# KiCad board vault35-katana-original.kicad_pcb (continued)
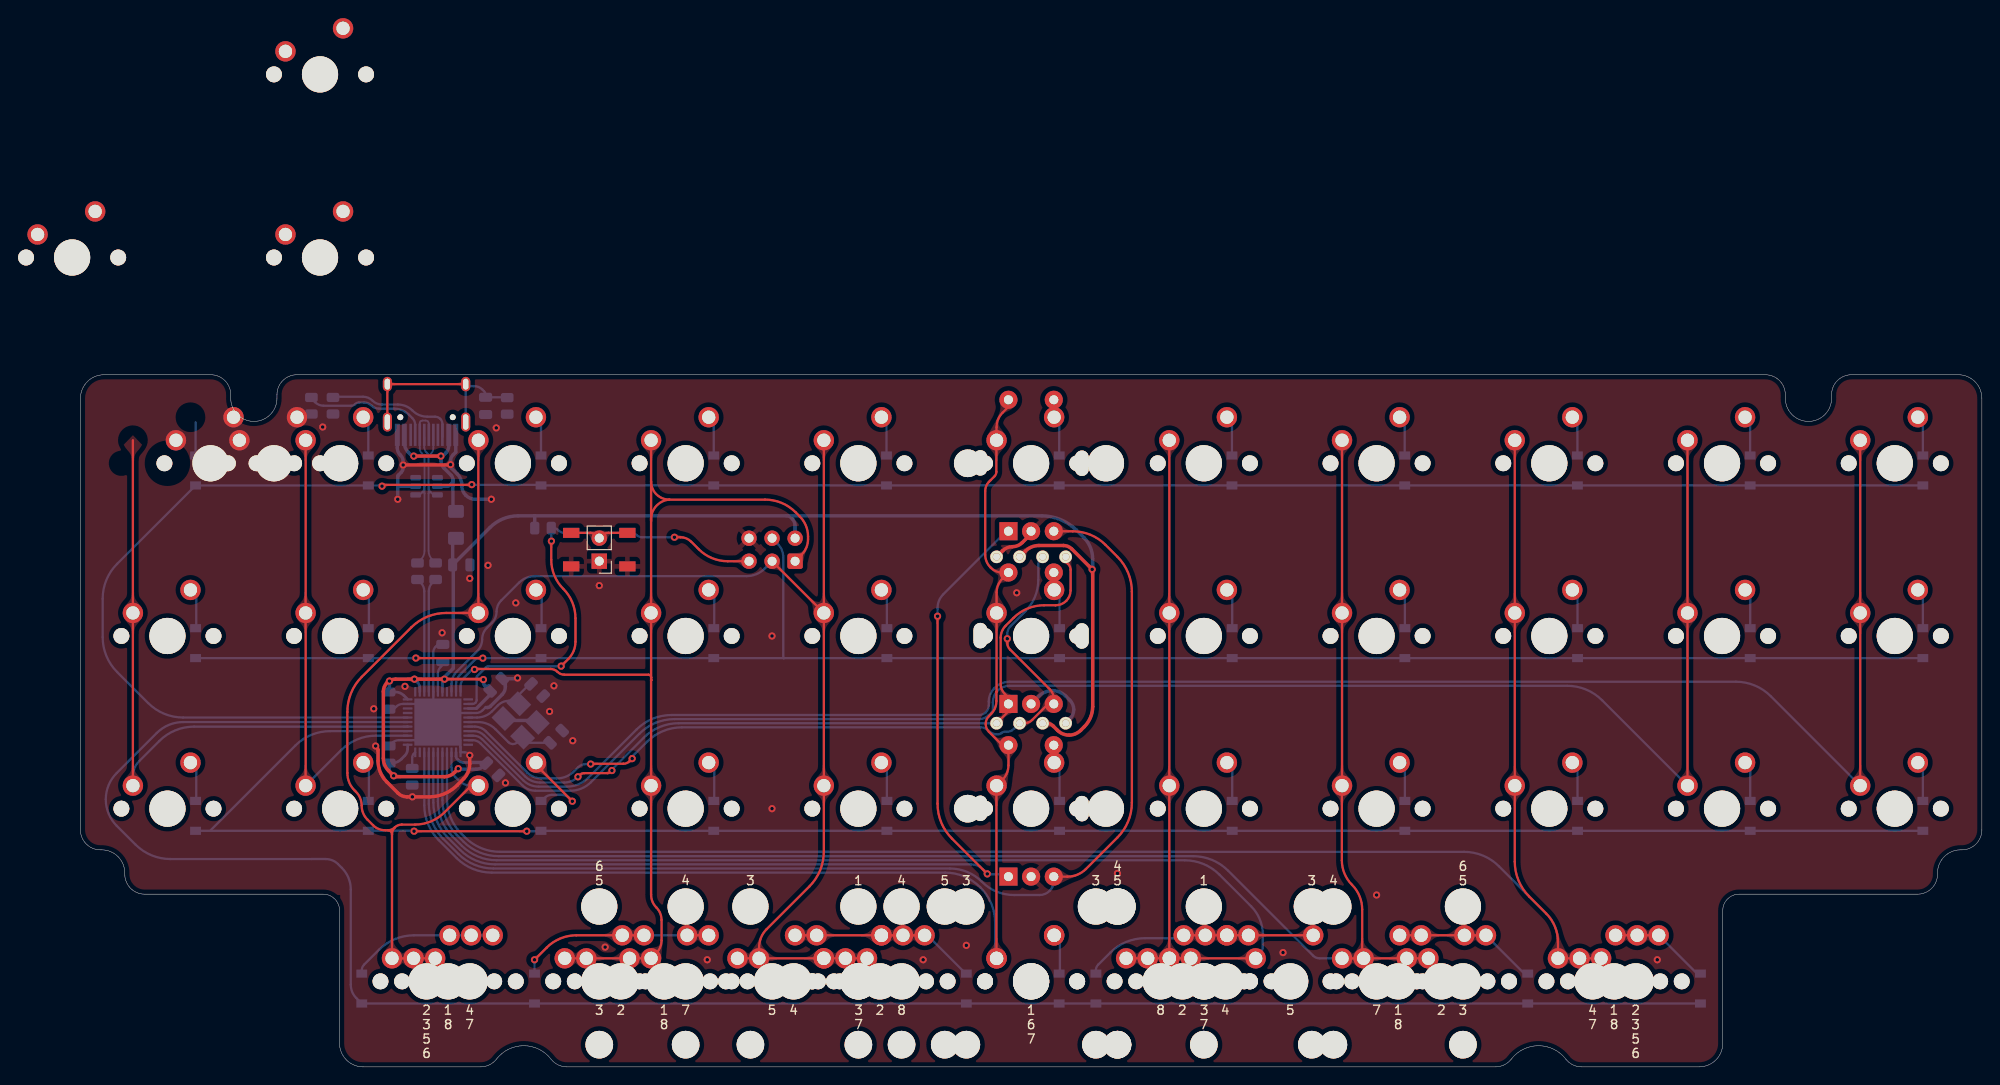
[diagram p0: board, top side]
## Copper pours and planes (outline as drawn; the poured copper is in the pictures) (continued)
col8 on Top: 167.57,12.1 167.31,12.11 167.09,12.15 166.91,12.22 166.76,12.3 166.62,12.4 166.49,12.51 166.36,12.63 166.21,12.75 166.03,12.87 165.82,12.98 164.77,11.97 165.82,10.96 166.03,11.08 166.21,11.2 166.36,11.32 166.49,11.44 166.62,11.55 166.76,11.64 166.91,11.73 167.09,11.79 167.31,11.83 167.57,11.85
col8 on Top: 158.06,52.32 158.05,52.05 158.01,51.83 157.94,51.65 157.86,51.5 157.76,51.37 157.65,51.24 157.53,51.1 157.41,50.95 157.29,50.78 157.17,50.56 158.19,49.51 159.2,50.56 159.08,50.78 158.96,50.95 158.84,51.1 158.72,51.24 158.61,51.37 158.51,51.5 158.43,51.65 158.37,51.83 158.33,52.05 158.31,52.32
col8 on Top: 158.31,47.83 158.33,48.09 158.37,48.31 158.43,48.49 158.51,48.64 158.61,48.78 158.72,48.91 158.84,49.04 158.96,49.19 159.08,49.37 159.2,49.58 158.19,50.63 157.17,49.58 157.29,49.37 157.41,49.19 157.53,49.04 157.65,48.91 157.76,48.78 157.86,48.64 157.94,48.49 158.01,48.31 158.05,48.09 158.06,47.83
col8 on Top: 158.31,28.78 158.33,29.04 158.37,29.26 158.43,29.44 158.51,29.59 158.61,29.73 158.72,29.86 158.84,29.99 158.96,30.14 159.08,30.32 159.2,30.53 158.19,31.58 157.17,30.53 157.29,30.32 157.41,30.14 157.53,29.99 157.65,29.86 157.76,29.73 157.86,29.59 157.94,29.44 158.01,29.26 158.05,29.04 158.06,28.78
col8 on Top: 158.06,33.27 158.05,33 158.01,32.78 157.94,32.6 157.86,32.45 157.76,32.32 157.65,32.19 157.53,32.05 157.41,31.9 157.29,31.73 157.17,31.51 158.19,30.46 159.2,31.51 159.08,31.73 158.96,31.9 158.84,32.05 158.72,32.19 158.61,32.32 158.51,32.45 158.43,32.6 158.37,32.78 158.33,33 158.31,33.27
col8 on Top: 165.47,11.85 165.73,11.83 165.95,11.79 166.13,11.73 166.28,11.64 166.42,11.55 166.55,11.44 166.68,11.32 166.83,11.2 167.01,11.08 167.22,10.96 168.27,11.97 167.22,12.98 167.01,12.87 166.83,12.75 166.68,12.63 166.55,12.51 166.42,12.4 166.28,12.3 166.13,12.22 165.95,12.15 165.73,12.11 165.47,12.1
col8 on Top: 165.19,12.1 164.93,12.11 164.71,12.15 164.53,12.22 164.38,12.3 164.24,12.4 164.11,12.51 163.98,12.63 163.83,12.75 163.65,12.87 163.44,12.98 162.39,11.97 163.44,10.96 163.65,11.08 163.83,11.2 163.98,11.32 164.11,11.44 164.24,11.55 164.38,11.64 164.53,11.73 164.71,11.79 164.93,11.83 165.19,11.85
col8 on Top: 162.68,14.88 162.75,14.54 162.78,14.25 162.76,14.01 162.7,13.79 162.61,13.59 162.5,13.4 162.37,13.2 162.23,12.98 162.08,12.74 161.94,12.46 162.95,11.41 163.96,12.46 163.82,12.76 163.69,13.01 163.57,13.23 163.47,13.42 163.38,13.62 163.29,13.82 163.2,14.04 163.11,14.29 163.02,14.59 162.93,14.94
col8 on Top: 163.08,11.85 163.35,11.83 163.57,11.79 163.75,11.73 163.9,11.64 164.04,11.55 164.17,11.44 164.3,11.32 164.45,11.2 164.63,11.08 164.84,10.96 165.89,11.97 164.84,12.98 164.63,12.87 164.45,12.75 164.3,12.63 164.17,12.51 164.04,12.4 163.9,12.3 163.75,12.22 163.57,12.15 163.35,12.11 163.08,12.1
col8 on Bottom: 162.68,14.88 162.75,14.54 162.78,14.25 162.76,14.01 162.7,13.79 162.61,13.59 162.5,13.4 162.37,13.2 162.23,12.98 162.08,12.74 161.94,12.46 162.95,11.41 163.96,12.46 163.82,12.76 163.69,13.01 163.57,13.23 163.47,13.42 163.38,13.62 163.29,13.82 163.2,14.04 163.11,14.29 163.02,14.59 162.93,14.94
col9 on Top: 177.11,33.27 177.09,33 177.05,32.78 176.99,32.6 176.91,32.45 176.81,32.32 176.7,32.19 176.58,32.05 176.46,31.9 176.34,31.73 176.22,31.51 177.24,30.46 178.25,31.51 178.13,31.73 178.01,31.9 177.89,32.05 177.77,32.19 177.66,32.32 177.57,32.45 177.48,32.6 177.42,32.78 177.38,33 177.36,33.27
col9 on Top: 177.36,47.83 177.38,48.09 177.42,48.31 177.48,48.49 177.57,48.64 177.66,48.78 177.77,48.91 177.89,49.04 178.01,49.19 178.13,49.37 178.25,49.58 177.24,50.63 176.22,49.58 176.34,49.37 176.46,49.19 176.58,49.04 176.7,48.91 176.81,48.78 176.91,48.64 176.99,48.49 177.05,48.31 177.09,48.09 177.11,47.83
col9 on Top: 177.36,66.88 177.38,67.14 177.42,67.36 177.48,67.54 177.57,67.69 177.66,67.83 177.77,67.96 177.89,68.09 178.01,68.24 178.13,68.42 178.25,68.63 177.24,69.68 176.22,68.63 176.34,68.42 176.46,68.24 176.58,68.09 176.7,67.96 176.81,67.83 176.91,67.69 176.99,67.54 177.05,67.36 177.09,67.14 177.11,66.88
col9 on Top: 177.11,52.32 177.09,52.05 177.05,51.83 176.99,51.65 176.91,51.5 176.81,51.37 176.7,51.24 176.58,51.1 176.46,50.95 176.34,50.78 176.22,50.56 177.24,49.51 178.25,50.56 178.13,50.78 178.01,50.95 177.89,51.1 177.77,51.24 177.66,51.37 177.57,51.5 177.48,51.65 177.42,51.83 177.38,52.05 177.36,52.32
col9 on Bottom: 175.56,32.52 175.74,32.32 175.86,32.14 175.95,31.97 175.99,31.8 176.02,31.64 176.03,31.47 176.05,31.29 176.07,31.1 176.11,30.89 176.17,30.65 177.63,30.62 177.61,32.08 177.37,32.15 177.16,32.19 176.97,32.21 176.79,32.22 176.62,32.24 176.46,32.26 176.29,32.31 176.12,32.39 175.94,32.52 175.74,32.7
col10 on Top: 196.41,47.83 196.43,48.09 196.47,48.31 196.53,48.49 196.62,48.64 196.71,48.78 196.82,48.91 196.94,49.04 197.06,49.19 197.18,49.37 197.3,49.58 196.29,50.63 195.27,49.58 195.39,49.37 195.51,49.19 195.63,49.04 195.75,48.91 195.86,48.78 195.96,48.64 196.04,48.49 196.1,48.31 196.14,48.09 196.16,47.83
col10 on Top: 196.16,33.27 196.14,33 196.1,32.78 196.04,32.6 195.96,32.45 195.86,32.32 195.75,32.19 195.63,32.05 195.51,31.9 195.39,31.73 195.27,31.51 196.29,30.46 197.3,31.51 197.18,31.73 197.06,31.9 196.94,32.05 196.82,32.19 196.71,32.32 196.62,32.45 196.53,32.6 196.47,32.78 196.43,33 196.41,33.27
col10 on Top: 196.16,52.32 196.14,52.05 196.1,51.83 196.04,51.65 195.96,51.5 195.86,51.37 195.75,51.24 195.63,51.1 195.51,50.95 195.39,50.78 195.27,50.56 196.29,49.51 197.3,50.56 197.18,50.78 197.06,50.95 196.94,51.1 196.82,51.24 196.71,51.37 196.62,51.5 196.53,51.65 196.47,51.83 196.43,52.05 196.41,52.32
col10 on Top: 196.41,66.88 196.43,67.14 196.47,67.36 196.53,67.54 196.62,67.69 196.71,67.83 196.82,67.96 196.94,68.09 197.06,68.24 197.18,68.42 197.3,68.63 196.29,69.68 195.27,68.63 195.39,68.42 195.51,68.24 195.63,68.09 195.75,67.96 195.86,67.83 195.96,67.69 196.04,67.54 196.1,67.36 196.14,67.14 196.16,66.88
col10 on Bottom: 194.61,32.52 194.79,32.32 194.91,32.14 195,31.97 195.04,31.8 195.07,31.64 195.08,31.47 195.1,31.29 195.12,31.1 195.16,30.89 195.22,30.65 196.68,30.62 196.66,32.08 196.42,32.15 196.21,32.19 196.02,32.21 195.84,32.22 195.67,32.24 195.51,32.26 195.34,32.31 195.17,32.39 194.99,32.52 194.79,32.7
encA on Bottom: 99.11,21.95 99.22,21.88 99.3,21.81 99.37,21.74 99.43,21.67 99.47,21.6 99.51,21.53 99.54,21.45 99.57,21.36 99.6,21.27 99.63,21.16 100.15,21.15 100.14,21.67 100.03,21.71 99.93,21.75 99.85,21.79 99.77,21.83 99.7,21.87 99.63,21.91 99.36,22.09 99.24,22.17
encA on Bottom: 100.38,21.11 100.59,21.09 100.77,21.06 100.91,21 101.03,20.92 101.14,20.83 101.23,20.73 101.33,20.61 101.43,20.49 101.56,20.36 101.7,20.22 102.83,20.86 102.14,21.97 101.92,21.91 101.74,21.84 101.58,21.76 101.44,21.68 101.31,21.6 101.17,21.52 101.02,21.46 100.84,21.41 100.63,21.37 100.38,21.36
encA on Bottom: 100.92,57.71 101.08,57.86 101.24,57.96 101.38,58.03 101.52,58.06 101.66,58.08 101.81,58.08 101.96,58.07 102.13,58.07 102.31,58.08 102.52,58.1 102.75,59.38 101.47,59.57 101.37,59.36 101.31,59.18 101.26,59.01 101.23,58.86 101.2,58.7 101.16,58.55 101.11,58.4 101.02,58.24 100.9,58.07 100.74,57.89
encB on Top: 109.79,21.27 109.52,21.19 109.29,21.16 109.08,21.17 108.9,21.22 108.73,21.29 108.57,21.39 108.4,21.51 108.22,21.63 108.02,21.76 107.79,21.88 106.85,20.99 107.78,20.08 108.03,20.21 108.25,20.32 108.6,20.5 108.77,20.58 108.94,20.66 109.12,20.74 109.33,20.83 109.58,20.93 109.88,21.04
encB on Top: 109.34,59.21 109.1,59.22 108.91,59.25 108.75,59.31 108.62,59.38 108.5,59.47 108.38,59.56 108.26,59.67 108.13,59.77 107.98,59.88 107.79,59.98 106.85,59.09 107.77,58.18 107.96,58.29 108.12,58.39 108.25,58.5 108.37,58.6 108.49,58.69 108.61,58.78 108.75,58.85 108.91,58.9 109.1,58.94 109.34,58.95
encB on Bottom: 106.03,18.85 106.27,18.91 106.46,19.01 106.6,19.13 106.71,19.28 106.8,19.43 106.89,19.58 106.99,19.72 107.11,19.84 107.28,19.94 107.49,20 107.43,21.48 106.38,20.71 106.44,20.5 106.5,20.28 106.54,20.07 106.57,19.87 106.57,19.68 106.54,19.51 106.48,19.37 106.37,19.24 106.21,19.15 105.99,19.1
row1 on Bottom: 77.48,57.04 77.4,57.25 77.34,57.43 77.3,57.58 77.28,57.72 77.25,57.85 77.23,57.98 77.21,58.11 77.18,58.25 77.14,58.41 77.08,58.6 75.98,58.62 76,57.52 76.16,57.47 76.32,57.44 76.47,57.43 76.61,57.41 76.74,57.4 76.86,57.36 76.97,57.31 77.07,57.23 77.16,57.11 77.24,56.95
row3 on Bottom: 30.03,7.88 30.12,7.74 30.26,7.52 30.32,7.44 30.37,7.35 30.42,7.27 30.47,7.18 30.51,7.09 30.55,6.97 30.6,6.84 31.19,6.83 31.18,7.41 31.05,7.46 30.83,7.52 30.74,7.56 30.65,7.6 30.57,7.65 30.49,7.71 30.41,7.79 30.33,7.89 30.25,8.01
RST on Top: 72.04,55.65 72.24,55.64 72.4,55.61 72.54,55.57 72.65,55.51 72.76,55.44 72.86,55.36 72.96,55.28 73.07,55.19 73.21,55.1 73.37,55.01 74.16,55.78 73.36,56.54 73.2,56.46 73.07,56.37 72.96,56.28 72.86,56.2 72.76,56.12 72.65,56.05 72.54,55.99 72.4,55.94 72.24,55.91 72.04,55.9
RST on Top: 59.23,58.78 59.36,58.77 59.46,58.76 59.55,58.73 59.63,58.7 59.69,58.66 59.76,58.62 59.83,58.57 59.9,58.52 59.98,58.47 60.08,58.41 60.6,58.91 60.08,59.4 59.98,59.35 59.9,59.3 59.83,59.25 59.76,59.2 59.69,59.15 59.63,59.11 59.55,59.08 59.46,59.06 59.36,59.04 59.23,59.03
RST on Top: 55.7,58.78 55.86,58.77 55.99,58.73 56.08,58.67 56.16,58.59 56.22,58.5 56.27,58.39 56.37,58.14 56.43,58.01 56.5,57.87 57.58,58.1 57.22,59.18 57.03,59.17 56.88,59.16 56.74,59.15 56.61,59.13 56.37,59.08 56.24,59.07 56.08,59.05 55.91,59.04 55.7,59.03
RST on Top: 58.75,59.03 58.53,59.04 58.36,59.05 58.21,59.07 58.07,59.08 57.83,59.13 57.7,59.15 57.57,59.16 57.41,59.17 57.22,59.18 56.86,58.1 57.94,57.87 58.02,58.01 58.08,58.14 58.17,58.39 58.22,58.5 58.28,58.59 58.36,58.67 58.46,58.73 58.58,58.77 58.75,58.78
RST on Top: 55.21,59.03 55.08,59.04 54.98,59.06 54.89,59.08 54.82,59.11 54.75,59.15 54.68,59.2 54.62,59.25 54.54,59.3 54.46,59.35 54.36,59.4 53.85,58.91 54.36,58.41 54.46,58.47 54.54,58.52 54.62,58.57 54.68,58.62 54.75,58.66 54.82,58.7 54.89,58.73 54.98,58.76 55.08,58.77 55.21,58.78
RST on Bottom: 53.19,59.05 53.03,59.1 52.9,59.15 52.8,59.22 52.72,59.29 52.65,59.37 52.58,59.46 52.52,59.55 52.44,59.65 52.35,59.74 52.24,59.84 51.68,59.48 52.06,58.94 52.18,58.96 52.29,58.98 52.39,58.98 52.48,58.97 52.57,58.96 52.66,58.93 52.86,58.87 52.99,58.84 53.14,58.8
RST on Bottom: 58.75,59.03 58.53,59.04 58.36,59.05 58.21,59.07 58.07,59.08 57.83,59.13 57.7,59.15 57.57,59.16 57.41,59.17 57.22,59.18 56.86,58.1 57.94,57.87 58.02,58.01 58.08,58.14 58.17,58.39 58.22,58.5 58.28,58.59 58.36,58.67 58.46,58.73 58.58,58.77 58.75,58.78
RST on Bottom: 55.7,58.78 55.86,58.77 55.99,58.73 56.08,58.67 56.16,58.59 56.22,58.5 56.27,58.39 56.37,58.14 56.43,58.01 56.5,57.87 57.58,58.1 57.22,59.18 57.03,59.17 56.88,59.16 56.74,59.15 56.61,59.13 56.37,59.08 56.24,59.07 56.08,59.05 55.91,59.04 55.7,59.03
RST on Bottom: 52.05,58.41 52.06,58.53 52.07,58.63 52.09,58.71 52.12,58.78 52.16,58.84 52.2,58.91 52.29,59.04 52.34,59.12 52.39,59.21 51.93,59.69 51.47,59.21 51.51,59.12 51.56,59.04 51.65,58.91 51.69,58.84 51.73,58.78 51.76,58.71 51.78,58.63 51.79,58.53 51.8,58.41
RST on Bottom: 61.85,58.56 61.65,58.59 61.49,58.65 61.36,58.71 61.25,58.79 61.15,58.88 61.07,58.98 60.97,59.08 60.87,59.18 60.75,59.28 60.6,59.38 60.05,58.93 60.53,58.4 60.67,58.45 60.8,58.47 60.91,58.48 61.02,58.48 61.13,58.46 61.24,58.43 61.35,58.4 61.49,58.36 61.64,58.33 61.82,58.3
RST on Bottom: 59.22,58.78 59.35,58.77 59.45,58.76 59.54,58.73 59.62,58.7 59.69,58.66 59.75,58.62 59.82,58.57 59.9,58.52 59.98,58.47 60.08,58.41 60.6,58.91 60.08,59.4 59.98,59.35 59.9,59.3 59.82,59.24 59.75,59.2 59.69,59.15 59.62,59.11 59.54,59.08 59.45,59.06 59.35,59.04 59.22,59.03
SCL on Top: 106.62,41.76 106.74,41.61 106.81,41.47 106.83,41.34 106.81,41.21 106.77,41.08 106.7,40.95 106.62,40.81 106.54,40.67 106.46,40.51 106.39,40.33 107.42,39.54 108.05,40.74 107.9,40.89 107.77,41.02 107.66,41.12 107.55,41.22 107.35,41.41 107.24,41.51 107.11,41.63 106.97,41.77 106.8,41.94
SCL on Top: 105.78,38.91 105.93,39.04 106.07,39.13 106.2,39.18 106.33,39.2 106.46,39.2 106.59,39.18 106.73,39.14 106.88,39.11 107.05,39.07 107.23,39.04 107.82,40.2 106.64,40.74 106.48,40.57 106.36,40.4 106.28,40.25 106.21,40.1 106.15,39.95 106.09,39.79 106.01,39.64 105.91,39.47 105.78,39.29 105.6,39.09
SCL on Top: 104.82,38.32 104.72,38.24 104.61,38.2 104.52,38.19 104.43,38.21 104.34,38.25 104.25,38.31 104.16,38.37 104.06,38.44 103.95,38.5 103.83,38.56 103.23,37.88 104.04,37.39 104.15,37.48 104.25,37.56 104.34,37.63 104.42,37.68 104.58,37.79 104.66,37.86 104.76,37.93 104.87,38.02 104.99,38.13
SCL on Bottom: 102.36,36.85 102.55,36.88 102.7,36.92 102.84,36.96 102.95,37 103.16,37.08 103.27,37.12 103.39,37.15 103.52,37.19 103.69,37.22 103.82,38.16 102.92,38.14 102.87,37.99 102.85,37.85 102.8,37.59 102.78,37.47 102.74,37.36 102.68,37.27 102.6,37.2 102.48,37.14 102.32,37.1
SCL on Bottom: 105.77,55.01 105.78,55.14 105.81,55.25 105.85,55.33 105.92,55.39 105.99,55.44 106.08,55.48 106.27,55.56 106.38,55.61 106.49,55.67 106.3,56.56 105.42,56.26 105.42,56.11 105.43,55.98 105.44,55.87 105.45,55.77 105.48,55.56 105.49,55.45 105.5,55.33 105.51,55.18 105.51,55.01
SDA on Top: 101.37,42.04 101.4,41.79 101.42,41.58 101.44,41.4 101.45,41.24 101.46,41.09 101.46,40.94 101.45,40.79 101.43,40.63 101.4,40.44 101.36,40.22 102.48,39.55 103.1,40.69 102.92,40.87 102.73,41 102.54,41.1 102.18,41.26 102.02,41.34 101.88,41.45 101.76,41.6 101.67,41.8 101.62,42.07
SDA on Top: 101.56,38.25 101.74,38.43 101.91,38.56 102.06,38.66 102.2,38.75 102.33,38.82 102.47,38.89 102.6,38.96 102.74,39.06 102.89,39.18 103.05,39.33 102.43,40.53 101.39,39.76 101.44,39.6 101.49,39.45 101.54,39.31 101.59,39.18 101.62,39.06 101.63,38.94 101.62,38.82 101.58,38.7 101.5,38.57 101.38,38.43
SDA on Top: 101.93,38.98 101.81,38.87 101.7,38.79 101.59,38.74 101.49,38.7 101.39,38.68 101.29,38.67 101.19,38.65 101.07,38.64 100.95,38.61 100.81,38.57 100.79,37.66 101.7,37.68 101.74,37.82 101.76,37.95 101.78,38.06 101.79,38.17 101.81,38.27 101.83,38.37 101.87,38.47 101.92,38.57 102,38.68 102.11,38.8
SDA on Top: 109.33,54.86 109.32,55.04 109.31,55.19 109.29,55.42 109.29,55.53 109.28,55.63 109.29,55.73 109.3,55.85 109.31,55.98 109.34,56.13 108.57,56.6 108.12,55.81 108.24,55.69 108.37,55.6 108.49,55.53 108.62,55.47 108.73,55.42 108.84,55.35 108.93,55.27 109,55.17 109.05,55.03 109.07,54.85
SDA on Bottom: 99.65,37.78 99.81,37.77 99.94,37.75 100.06,37.72 100.15,37.67 100.24,37.62 100.32,37.56 100.4,37.49 100.5,37.42 100.6,37.35 100.73,37.28 101.39,37.91 100.73,38.54 100.6,38.47 100.5,38.4 100.4,38.33 100.32,38.26 100.24,38.2 100.15,38.15 100.06,38.1 99.94,38.07 99.81,38.04 99.65,38.04
Net-(D_SPACE1-A) on Bottom: 12.83,69.55 12.84,69.85 12.87,70.1 12.92,70.3 12.98,70.49 13.04,70.65 13.11,70.82 13.17,70.99 13.22,71.18 13.25,71.4 13.26,71.66 11.86,72.15 11.5,70.73 11.67,70.63 11.84,70.53 11.99,70.45 12.13,70.38 12.25,70.29 12.36,70.2 12.45,70.09 12.52,69.94 12.56,69.77 12.57,69.55
Net-(D_SPACE2-A) on Bottom: 31.87,69.56 31.89,69.85 31.92,70.1 31.97,70.3 32.03,70.49 32.09,70.65 32.16,70.82 32.22,70.99 32.27,71.18 32.3,71.4 32.31,71.66 30.91,72.15 30.55,70.73 30.72,70.63 30.89,70.53 31.04,70.45 31.18,70.38 31.3,70.29 31.41,70.2 31.5,70.09 31.57,69.95 31.61,69.77 31.62,69.56
Net-(D_SPACE3-A) on Bottom: 50.92,69.56 50.94,69.85 50.97,70.1 51.02,70.3 51.08,70.49 51.14,70.65 51.21,70.82 51.27,70.99 51.32,71.18 51.35,71.4 51.36,71.66 49.96,72.15 49.6,70.73 49.77,70.63 49.94,70.53 50.09,70.45 50.23,70.38 50.35,70.29 50.46,70.2 50.55,70.09 50.62,69.95 50.66,69.77 50.67,69.56
Net-(D_SPACE4-A) on Bottom: 69.97,69.56 69.99,69.85 70.02,70.1 70.07,70.31 70.13,70.49 70.19,70.65 70.26,70.82 70.32,70.99 70.37,71.18 70.4,71.4 70.41,71.66 69.01,72.15 68.65,70.73 68.82,70.63 68.99,70.53 69.14,70.45 69.28,70.38 69.4,70.29 69.51,70.2 69.6,70.09 69.66,69.95 69.71,69.77 69.72,69.56
Net-(D_SPACE5-A) on Bottom: 89.02,69.56 89.04,69.85 89.07,70.1 89.12,70.31 89.18,70.49 89.24,70.66 89.31,70.82 89.37,70.99 89.42,71.18 89.45,71.4 89.46,71.66 88.06,72.15 87.7,70.73 87.87,70.63 88.03,70.53 88.19,70.45 88.33,70.38 88.45,70.29 88.56,70.2 88.65,70.09 88.71,69.95 88.76,69.77 88.77,69.56
Net-(D_SPACE6-A) on Bottom: 127.12,69.56 127.13,69.85 127.17,70.1 127.22,70.31 127.28,70.49 127.34,70.66 127.41,70.82 127.47,70.99 127.52,71.18 127.55,71.4 127.56,71.66 126.16,72.15 125.8,70.73 125.97,70.63 126.13,70.54 126.29,70.45 126.43,70.38 126.55,70.29 126.66,70.2 126.75,70.09 126.81,69.95 126.85,69.77 126.87,69.56
Net-(D_SPACE6-Pad2) on Bottom: 108.07,69.56 108.09,69.85 108.12,70.1 108.17,70.31 108.23,70.49 108.29,70.66 108.36,70.82 108.42,70.99 108.47,71.18 108.5,71.4 108.51,71.66 107.11,72.15 106.75,70.73 106.92,70.63 107.08,70.54 107.24,70.45 107.38,70.38 107.5,70.29 107.61,70.2 107.7,70.09 107.76,69.95 107.8,69.77 107.82,69.56
Net-(D_SPACE6-Pad2) on Bottom: 107.26,73.78 107.25,73.55 107.21,73.36 107.16,73.2 107.09,73.06 107.01,72.94 106.91,72.82 106.81,72.71 106.7,72.6 106.59,72.47 106.47,72.32 107.39,71.1 108.3,72.32 108.19,72.47 108.07,72.6 107.96,72.71 107.86,72.82 107.76,72.94 107.68,73.06 107.61,73.2 107.56,73.36 107.52,73.55 107.51,73.78
Net-(D_SPACE6-Pad2) on Bottom: 107.51,71.8 107.53,72.02 107.57,72.19 107.62,72.33 107.7,72.45 107.79,72.56 107.98,72.76 108.08,72.88 108.18,73.02 108.27,73.2 107.32,74.09 106.47,73.11 106.57,72.95 106.68,72.82 106.78,72.71 106.89,72.61 106.99,72.52 107.07,72.42 107.15,72.31 107.21,72.17 107.25,72.01 107.26,71.8
Net-(D_SPACE7-A) on Bottom: 146.17,69.56 146.18,69.85 146.22,70.1 146.27,70.31 146.33,70.49 146.39,70.66 146.46,70.82 146.52,70.99 146.57,71.18 146.6,71.4 146.61,71.66 145.21,72.15 144.85,70.73 145.02,70.63 145.18,70.54 145.34,70.45 145.48,70.38 145.6,70.29 145.71,70.2 145.8,70.09 145.86,69.95 145.9,69.77 145.92,69.56
Net-(D_SPACE8-A) on Bottom: 165.22,69.56 165.23,69.85 165.27,70.1 165.32,70.31 165.38,70.49 165.44,70.66 165.51,70.82 165.57,70.99 165.62,71.18 165.65,71.4 165.66,71.66 164.26,72.15 163.9,70.73 164.07,70.63 164.23,70.54 164.39,70.46 164.53,70.38 164.65,70.3 164.76,70.2 164.85,70.09 164.91,69.95 164.95,69.77 164.97,69.56
Net-(D_SPACE9-A) on Bottom: 184.27,69.56 184.28,69.85 184.32,70.1 184.37,70.31 184.43,70.49 184.49,70.66 184.56,70.82 184.62,70.99 184.67,71.18 184.7,71.4 184.71,71.66 183.31,72.15 182.95,70.73 183.12,70.63 183.28,70.54 183.44,70.46 183.58,70.38 183.7,70.3 183.81,70.2 183.9,70.09 183.96,69.95 184,69.77 184.02,69.56
Net-(D_SPACE10-A) on Bottom: 203.32,69.55 203.33,69.85 203.37,70.09 203.42,70.3 203.48,70.48 203.54,70.65 203.61,70.82 203.67,70.99 203.72,71.18 203.75,71.4 203.76,71.66 202.36,72.15 202,70.74 202.17,70.63 202.33,70.54 202.48,70.45 202.62,70.38 202.75,70.29 202.86,70.2 202.94,70.08 203.01,69.94 203.05,69.77 203.07,69.55
Net-(D_SPACE11-A) on Bottom: 12.9,50.55 12.91,50.84 12.94,51.08 12.98,51.28 13.03,51.46 13.08,51.63 13.13,51.79 13.18,51.96 13.22,52.14 13.25,52.36 13.26,52.61 11.82,53.08 11.57,51.64 11.75,51.55 11.91,51.47 12.06,51.4 12.2,51.33 12.33,51.25 12.44,51.17 12.52,51.06 12.59,50.93 12.63,50.76 12.64,50.55
Net-(D_SPACE12-A) on Bottom: 31.94,50.55 31.95,50.84 31.98,51.08 32.02,51.28 32.07,51.46 32.13,51.63 32.18,51.79 32.23,51.95 32.27,52.14 32.3,52.36 32.31,52.61 30.87,53.08 30.62,51.64 30.79,51.55 30.95,51.47 31.11,51.4 31.25,51.33 31.37,51.25 31.48,51.17 31.57,51.06 31.63,50.92 31.67,50.76 31.69,50.55
Net-(D_SPACE13-A) on Bottom: 50.98,50.55 50.99,50.84 51.02,51.08 51.06,51.28 51.12,51.46 51.17,51.62 51.23,51.79 51.28,51.95 51.32,52.14 51.35,52.36 51.36,52.61 49.93,53.08 49.66,51.65 49.83,51.55 50,51.47 50.15,51.4 50.29,51.33 50.41,51.25 50.52,51.16 50.61,51.06 50.67,50.92 50.71,50.76 50.73,50.55
Net-(D_SPACE14-A) on Bottom: 70.02,50.54 70.04,50.83 70.06,51.07 70.11,51.27 70.16,51.45 70.22,51.62 70.28,51.78 70.33,51.95 70.37,52.14 70.4,52.35 70.41,52.61 68.98,53.09 68.7,51.65 68.87,51.55 69.04,51.47 69.19,51.4 69.33,51.33 69.45,51.25 69.56,51.16 69.65,51.05 69.72,50.91 69.76,50.75 69.77,50.54
Net-(D_SPACE15-A) on Bottom: 89.07,50.53 89.08,50.82 89.11,51.07 89.15,51.27 89.21,51.45 89.26,51.62 89.32,51.78 89.38,51.95 89.42,52.14 89.45,52.35 89.46,52.61 88.04,53.09 87.74,51.66 87.91,51.56 88.08,51.47 88.23,51.4 88.37,51.33 88.5,51.25 88.6,51.16 88.69,51.05 88.76,50.91 88.8,50.74 88.81,50.53
Net-(D_SPACE16-A) on Bottom: 127.15,50.52 127.16,50.81 127.19,51.06 127.24,51.26 127.3,51.44 127.36,51.61 127.42,51.77 127.47,51.94 127.52,52.13 127.55,52.35 127.56,52.61 126.14,53.09 125.83,51.67 126,51.56 126.16,51.48 126.32,51.4 126.46,51.33 126.58,51.25 126.69,51.15 126.78,51.04 126.84,50.9 126.88,50.73 126.9,50.52
Net-(D_SPACE17-A) on Bottom: 146.19,50.52 146.21,50.81 146.24,51.05 146.28,51.26 146.34,51.44 146.4,51.61 146.46,51.77 146.52,51.94 146.57,52.13 146.6,52.35 146.61,52.61 145.2,53.1 144.87,51.67 145.04,51.57 145.2,51.48 145.36,51.4 145.5,51.33 145.62,51.25 145.73,51.15 145.82,51.04 145.88,50.9 145.93,50.73 145.94,50.52
Net-(D_SPACE17-Pad2) on Bottom: 108.11,50.53 108.12,50.82 108.15,51.06 108.2,51.27 108.25,51.45 108.31,51.62 108.37,51.78 108.42,51.95 108.47,52.14 108.5,52.35 108.51,52.61 107.09,53.09 106.79,51.66 106.96,51.56 107.12,51.48 107.27,51.4 107.41,51.33 107.54,51.25 107.65,51.16 107.73,51.05 107.8,50.91 107.84,50.74 107.86,50.53
Net-(D_SPACE17-Pad2) on Bottom: 107.26,54.73 107.25,54.5 107.21,54.31 107.16,54.15 107.09,54.01 107.01,53.89 106.91,53.77 106.81,53.66 106.7,53.55 106.59,53.42 106.47,53.27 107.39,52.05 108.3,53.27 108.19,53.42 108.07,53.55 107.96,53.66 107.86,53.77 107.76,53.89 107.68,54.01 107.61,54.15 107.56,54.31 107.52,54.5 107.51,54.73
Net-(D_SPACE17-Pad2) on Bottom: 107.51,52.75 107.53,52.97 107.57,53.14 107.62,53.28 107.7,53.4 107.79,53.5 107.98,53.71 108.08,53.83 108.18,53.97 108.27,54.15 107.32,55.03 106.47,54.05 106.57,53.89 106.68,53.77 106.78,53.66 106.89,53.56 106.99,53.47 107.07,53.37 107.15,53.26 107.21,53.12 107.25,52.96 107.26,52.75
Net-(D_SPACE18-A) on Bottom: 165.24,50.51 165.25,50.81 165.28,51.05 165.33,51.26 165.39,51.44 165.45,51.61 165.51,51.77 165.57,51.94 165.62,52.13 165.65,52.35 165.66,52.61 164.25,53.1 163.91,51.68 164.08,51.57 164.25,51.48 164.4,51.4 164.54,51.33 164.67,51.25 164.77,51.15 164.86,51.04 164.93,50.9 164.97,50.73 164.98,50.51
Net-(D_SPACE19-A) on Bottom: 184.28,50.51 184.29,50.81 184.32,51.05 184.37,51.26 184.43,51.44 184.49,51.61 184.56,51.77 184.62,51.94 184.67,52.13 184.7,52.35 184.71,52.61 183.3,53.1 182.96,51.68 183.13,51.57 183.29,51.48 183.44,51.4 183.58,51.33 183.71,51.25 183.82,51.15 183.9,51.04 183.97,50.9 184.01,50.73 184.02,50.51
Net-(D_SPACE20-A) on Bottom: 203.32,50.5 203.33,50.8 203.37,51.04 203.42,51.25 203.48,51.43 203.54,51.6 203.61,51.77 203.67,51.94 203.72,52.13 203.75,52.35 203.76,52.61 202.36,53.1 202,51.69 202.17,51.58 202.33,51.49 202.48,51.4 202.62,51.33 202.75,51.24 202.86,51.15 202.94,51.03 203.01,50.89 203.05,50.72 203.07,50.5
Net-(D_SPACE21-A) on Bottom: 12.9,31.5 12.91,31.79 12.94,32.03 12.98,32.23 13.03,32.41 13.08,32.58 13.13,32.74 13.18,32.91 13.22,33.09 13.25,33.31 13.26,33.56 11.82,34.03 11.57,32.59 11.75,32.5 11.91,32.42 12.06,32.35 12.2,32.28 12.33,32.2 12.44,32.12 12.52,32.01 12.59,31.88 12.63,31.71 12.64,31.5
Net-(D_SPACE22-A) on Bottom: 31.94,31.5 31.95,31.79 31.98,32.03 32.02,32.23 32.07,32.41 32.13,32.58 32.18,32.74 32.23,32.9 32.27,33.09 32.3,33.31 32.31,33.56 30.87,34.03 30.62,32.59 30.79,32.5 30.95,32.42 31.11,32.35 31.25,32.28 31.37,32.2 31.48,32.12 31.57,32.01 31.63,31.87 31.67,31.71 31.69,31.5
Net-(D_SPACE23-A) on Top: 51.88,31.85 51.67,32.09 51.54,32.31 51.47,32.52 51.43,32.73 51.43,32.93 51.43,33.14 51.43,33.35 51.4,33.58 51.35,33.82 51.24,34.08 49.79,33.9 50.02,32.46 50.44,32.38 50.62,32.34 50.77,32.3 50.92,32.25 51.06,32.19 51.2,32.1 51.35,31.99 51.51,31.85 51.7,31.67
Net-(D_SPACE24-A) on Bottom: 70.02,31.49 70.04,31.78 70.06,32.02 70.11,32.22 70.16,32.4 70.22,32.57 70.28,32.73 70.33,32.9 70.37,33.09 70.4,33.3 70.41,33.56 68.98,34.04 68.7,32.6 68.87,32.5 69.04,32.42 69.19,32.35 69.33,32.28 69.45,32.2 69.56,32.11 69.65,32 69.72,31.86 69.76,31.7 69.77,31.49
Net-(D_SPACE25-A) on Bottom: 89.07,31.48 89.08,31.77 89.11,32.02 89.15,32.22 89.21,32.4 89.26,32.57 89.32,32.73 89.38,32.9 89.42,33.09 89.45,33.3 89.46,33.56 88.04,34.04 87.74,32.61 87.91,32.51 88.08,32.42 88.23,32.35 88.37,32.28 88.5,32.2 88.6,32.11 88.69,32 88.76,31.86 88.8,31.69 88.81,31.48
Net-(D_SPACE26-A) on Bottom: 107.26,35.68 107.25,35.45 107.21,35.26 107.16,35.1 107.09,34.96 107.01,34.84 106.91,34.72 106.81,34.61 106.7,34.5 106.59,34.37 106.47,34.22 107.39,33 108.3,34.22 108.19,34.37 108.07,34.5 107.96,34.61 107.86,34.72 107.76,34.84 107.68,34.96 107.61,35.1 107.56,35.26 107.52,35.45 107.51,35.68
Net-(D_SPACE26-A) on Bottom: 107.51,33.7 107.53,33.92 107.57,34.09 107.62,34.23 107.7,34.35 107.79,34.45 107.98,34.66 108.08,34.78 108.18,34.92 108.27,35.1 107.32,35.99 106.47,35.01 106.57,34.85 106.68,34.72 106.78,34.61 106.89,34.51 106.99,34.42 107.07,34.32 107.15,34.21 107.21,34.07 107.25,33.91 107.26,33.7
